# Altium PCB PCB2.PcbDoc (part 1 of 2) (continued)
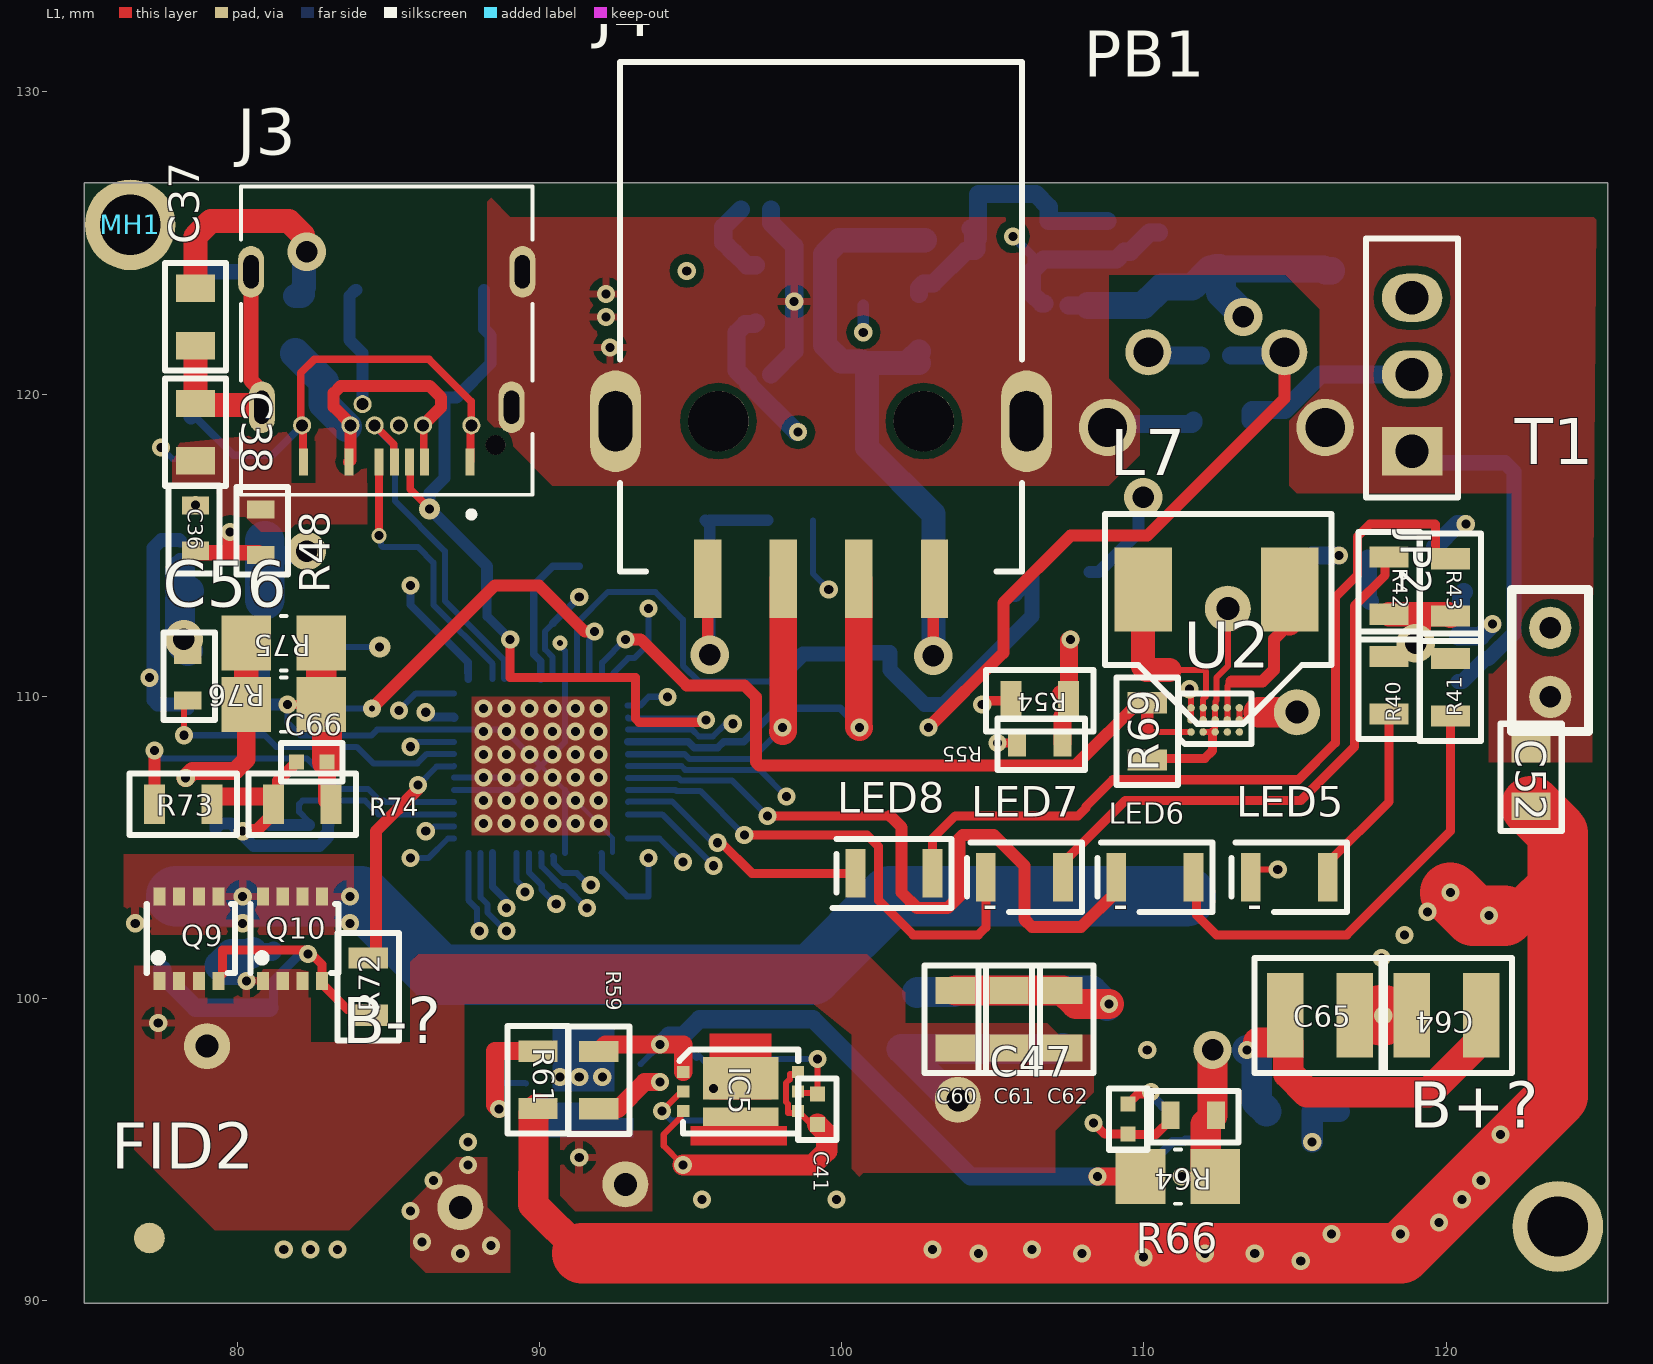
[diagram p0: L1 view]
## Part data (continued)
C41 C46 C47 C48: library part "0.1uF cap", "Cap Ceramic 0.1uF 16V X7R 10% SMD 0402 125C Paper T/R", Capacitance=100nF, Case/Package=0402, Case Code (Metric)=1005, Dielectric=X7R, Manufacturer 1=Yageo, Manufacturer Part Number 1=CC0402KPX7R7BB104, Max Operating Temperature=125°C, Min Operating Temperature=-55°C, Supplier Part Number 1=311-3559-1-ND, Tolerance=10%, Voltage Rating=16V, Case Code (Imperial)=0402, ComponentLink1Description=https://datasheet.ciiva.com/13207/upy-gphc-x7r-6-3v-to-50v-8-12304-13207933.pdf?src-supplier=Mouser, ComponentLink1URL=https://datasheet.ciiva.com/13207/upy-gphc-x7r-6-3v-to-50v-8-12304-13207933.pdf?src-supplier=Mouser, Composition=Ceramic, Depth=0.5mm, Halogen Free="Halogen Free", Lead Free="Lead Free", Length=0.039inch, Mount="Surface Mount", Packaging="Tape and Reel", Pricing 1="1=0.10000, 10=0.03200, 50=0.01760, 100=0.01430, 500=0.01024, 1000=0.00805, 2500=0.00732, 5000=0.00673 (USD)", RoHS=Yes, Stock 1=61577, Supplier 1=Digi-Key, Termination=SMD/SMT, Thickness=0.022inch, Voltage Rating (DC)=16V, Weight=2.3E-05oz, Width=0.02inch
C52: library part C2012X5R1C106M125AC, "CAP CER 10UF 16V X5R 0805", Capacitance=10uF, Case/Package=0805, Case Code (Metric)=2012, Dielectric=X5R, Dielectric Material=Ceramic, Manufacturer 1=TDK, Max Operating Temperature=85°C, Min Operating Temperature=-55°C, Package Quantity=1, Supplier Part Number 1=2525134, Tolerance=20%, Voltage Rating=16V, Case Code (Imperial)=0805, ComponentLink1Description=https://datasheet.ciiva.com/6289/tdkmlcccaprange-6289238.pdf?src-supplier=Digi-Key, ComponentLink1URL=https://datasheet.ciiva.com/6289/tdkmlcccaprange-6289238.pdf?src-supplier=Digi-Key, ComponentLink2Description=https://datasheet.ciiva.com/22725/1913358-22725558.pdf?src-supplier=Element14, ComponentLink2URL=https://datasheet.ciiva.com/22725/1913358-22725558.pdf?src-supplier=Element14, ComponentLink3Description=https://datasheet.ciiva.com/6252/tdkmlcccaprange-6252105.pdf?src-supplier=Digi-Key, ComponentLink3URL=https://datasheet.ciiva.com/6252/tdkmlcccaprange-6252105.pdf?src-supplier=Digi-Key, ComponentLink4Description=https://datasheet.ciiva.com/6252/tdkmlcccaprange-6252108.pdf?src-supplier=Digi-Key, ComponentLink4URL=https://datasheet.ciiva.com/6252/tdkmlcccaprange-6252108.pdf?src-supplier=Digi-Key, ComponentLink5Description=https://datasheet.ciiva.com/23803/1796654-23803022.pdf?src-supplier=Newark, ComponentLink5URL=https://datasheet.ciiva.com/23803/1796654-23803022.pdf?src-supplier=Newark, Composition=Ceramic, Depth=1.25mm, Height=1.25mm, Lead Free="Lead Free", Length=2mm, Manufacturer Part Number 1=C2012X5R1C106M125AC, Mount="Surface Mount", Number of Pins=2, Packaging="Tape and Reel", Pricing 1="5=0.27200, 50=0.09480, 250=0.08030, 500=0.07090, 1000=0.06220, 2000=0.04880, 10000=0.04830, 20000=0.04180 (GBP)", REACH SVHC="No SVHC", RoHS=Yes, Stock 1=0, Supplier 1=Farnell, Termination=SMD/SMT, Thickness=0.057inch, Voltage Rating (DC)=16V, Weight=0.000194oz, Width=0.049inch
C54: library part "22000pF cap", "YAGEO - CC0402KRX7R7BB223 - SMD Multilayer Ceramic Capacitor, 22000 pF, 16 V, 0402 [1005 Metric], ± 10%, X7R, CC Series", Capacitance=22nF, Case/Package=0402, Case Code (Metric)=1005, Dielectric=X7R, Dielectric Material=Ceramic, Insulation Resistance=10GR, Manufacturer 1=Yageo, Manufacturer Part Number 1=CC0402KRX7R7BB223, Max Operating Temperature=125°C, Min Operating Temperature=-55°C, Package Quantity=1, Supplier Part Number 1=311-1378-1-ND, Tolerance=10%, Voltage Rating=16V, Case Code (Imperial)=0402, ComponentLink1Description=https://datasheet.ciiva.com/144/mlccorderingcode-144037.pdf?src-supplier=Digi-Key, ComponentLink1URL=https://datasheet.ciiva.com/144/mlccorderingcode-144037.pdf?src-supplier=Digi-Key, ComponentLink2Description=https://datasheet.ciiva.com/8033/1489800-8033669.pdf?src-supplier=Element14, ComponentLink2URL=https://datasheet.ciiva.com/8033/1489800-8033669.pdf?src-supplier=Element14, ComponentLink3Description=https://datasheet.ciiva.com/15189/getdatasheetpartid-321421-15189125.pdf?src-supplier=Verical, ComponentLink3URL=https://datasheet.ciiva.com/15189/getdatasheetpartid-321421-15189125.pdf?src-supplier=Verical, ComponentLink4Description=https://datasheet.ciiva.com/144/mlccorderingcode-144038.pdf?src-supplier=Digi-Key, ComponentLink4URL=https://datasheet.ciiva.com/144/mlccorderingcode-144038.pdf?src-supplier=Digi-Key, ComponentLink5Description=https://datasheet.ciiva.com/28450/1489800-28450342.pdf?src-supplier=Element14, ComponentLink5URL=https://datasheet.ciiva.com/28450/1489800-28450342.pdf?src-supplier=Element14, ComponentLink6Description=https://datasheet.ciiva.com/144/mlccorderingcode-144039.pdf?src-supplier=Digi-Key, ComponentLink6URL=https://datasheet.ciiva.com/144/mlccorderingcode-144039.pdf?src-supplier=Digi-Key, ComponentLink7Description=https://datasheet.ciiva.com/8033/1489800-8033671.pdf?src-supplier=Element14, ComponentLink7URL=https://datasheet.ciiva.com/8033/1489800-8033671.pdf?src-supplier=Element14, Composition=Ceramic, Depth=0.5mm, Dissipation Factor=3.5%, Halogen Free="Halogen Free", Height=0.5mm, Lead Free="Lead Free", Length=1mm, Mount="Surface Mount", Number of Pins=2, Packaging="Tape and Reel", Pricing 1="1=0.10000, 10=0.03000, 50=0.01620, 100=0.01320, 500=0.00940, 1000=0.00738, 2500=0.00671, 5000=0.00617 (USD)", Radiation Hardening=No, REACH SVHC="No SVHC", RoHS=Yes, Stock 1=283527, Supplier 1=Digi-Key, Termination=SMD/SMT, Thickness=0.022inch, Voltage Rating (DC)=16V, Width=0.5mm
C63 C66: library part "1pF 16V cap", "WURTH ELEKTRONIK - 885012005019 - CAP, 1PF, 16V, C0G/NP0, 0402", Capacitance=1pF, Case/Package=0402, Case Code (Metric)=1005, Manufacturer 1="Wurth Electronics", Manufacturer Part Number 1=885012005019, Max Operating Temperature=125°C, Min Operating Temperature=-55°C, Supplier Part Number 1=732-7435-1-ND, Voltage Rating=16V, Case Code (Imperial)=0402, ComponentLink1Description=http://www.farnell.com/datasheets/2546550.pdf?src-supplier=Farnell, ComponentLink1URL=http://www.farnell.com/datasheets/2546550.pdf?src-supplier=Farnell, ComponentLink2Description=https://katalog.we-online.de/pbs/datasheet/885012005019.pdf?src-supplier=Digi-Key, ComponentLink2URL=https://katalog.we-online.de/pbs/datasheet/885012005019.pdf?src-supplier=Digi-Key, ComponentLink3Description=http://katalog.we-online.de/pbs/datasheet/885012005019.pdf?src-supplier=Digi-Key, ComponentLink3URL=http://katalog.we-online.de/pbs/datasheet/885012005019.pdf?src-supplier=Digi-Key, Length=0.039inch, Mount="Surface Mount", Packaging="Tape and Reel", Pricing 1="1=0.10000, 10=0.01700, 100=0.01570, 500=0.01386 (USD)", RoHS=Yes, Stock 1=8704, Supplier 1=Digi-Key, Thickness=0.022inch, Width=0.02inch
C64 C65: library part "47uF cap", "KEMET - C1210C476M4PACTU. - CAPACITOR CERAMIC 47UF, 16V, X5R, 1210", Capacitance=47uF, Case/Package=1210, Case Code (Metric)=3225, Dielectric=X5R, Dielectric Material=Ceramic, Manufacturer 1=KEMET, Manufacturer Part Number 1=C1210C476M4PACTU, Max Operating Temperature=85°C, Min Operating Temperature=-55°C, Package Quantity=1, Supplier Part Number 1=399-5514-1-ND, Tolerance=20%, Voltage=16V, Case Code (Imperial)=1210, ComponentLink1Description=https://datasheet.ciiva.com/22705/652158-22705488.pdf?src-supplier=Element14, ComponentLink1URL=https://datasheet.ciiva.com/22705/652158-22705488.pdf?src-supplier=Element14, ComponentLink2Description=https://datasheet.ciiva.com/28608/1918694-28608774.pdf?src-supplier=Element14, ComponentLink2URL=https://datasheet.ciiva.com/28608/1918694-28608774.pdf?src-supplier=Element14, Contact Plating=Tin,Matte, Depth=2.5mm, Dissipation Factor=10%, Height=2.5mm, Lead Free="Lead Free", Length=3.2mm, Mount="Surface Mount,PCB", Number of Pins=2, Packaging="Tape and Reel", Pricing 1="1=1.16000, 10=0.88500, 50=0.73500, 100=0.63300, 500=0.49006 (USD)", Radiation Hardening=No, REACH SVHC="No SVHC", RoHS=Yes, Stock 1=225249, Supplier 1=Digi-Key, Termination=SMD/SMT, Thickness=0.11inch, Voltage Rating=16V, Voltage Rating (DC)=16V, Width=0.098inch
D5: library part "3pins schottkey common cathode", "Diode Schottky 30V 0.2A 3-Pin SOT-23 T/R", Average Rectified Current=200mA, Case/Package=SOT-23-3, Manufacturer 1="ON Semiconductor", Manufacturer Part Number 1=SBAT54CLT1G, Max Forward Surge Current (Ifsm)=600mA, Max Operating Temperature=125°C, Max Power Dissipation=225mW, Max Repetitive Reverse Voltage (Vrrm)=30V, Max Reverse Leakage Current=2uA, Min Operating Temperature=-55°C, Package Quantity=3000, Supplier Part Number 1=SBAT54CLT1GOSCT-ND, ComponentLink1Description=https://datasheet.ciiva.com/908/bat54clt1-d-908339.pdf?src-supplier=Digi-Key, ComponentLink1URL=https://datasheet.ciiva.com/908/bat54clt1-d-908339.pdf?src-supplier=Digi-Key, ComponentLink2Description=https://datasheet.ciiva.com/8292/bat54clt1-d-8292853.pdf?src-supplier=Avnet, ComponentLink2URL=https://datasheet.ciiva.com/8292/bat54clt1-d-8292853.pdf?src-supplier=Avnet, Element Configuration="Common Cathode", Forward Current=200mA, Halogen Free="Halogen Free", Lead Free="Lead Free", Max Reverse Voltage (DC)=30V, Number of Pins=3, Packaging="Tape and Reel", Peak Non-Repetitive Surge Current=600mA, Pricing 1="1=0.36000, 10=0.29600, 25=0.24760, 100=0.12100, 500=0.10092, 1000=0.07013 (USD)", Radiation Hardening=No, Recovery Time=5ns, Reverse Recovery Time=5ns, RoHS=Yes, Stock 1=24603, Supplier 1=Digi-Key
D6 D7: library part MM5Z5V1T1G, "ON SEMICONDUCTOR - MM5Z5V1T1G - Zener Single Diode, General Purpose, 5.1 V, 500 mW, SOD-523, 2, 150 C RoHS Compliant: Yes", Case/Package=SOD-523-2, Forward Voltage=900mV, Manufacturer 1="ON Semiconductor", Max Operating Temperature=150°C, Max Power Dissipation=200mW, Max Reverse Leakage Current=2uA, Min Operating Temperature=-65°C, Package Quantity=3000, Power Rating=100mW, Supplier Part Number 1=MM5Z5V1T1GOSCT-ND, Test Current=5mA, Tolerance=6%, Voltage Rating (DC)=5.1V, Zener Current=10mA, ComponentLink1Description=https://datasheet.ciiva.com/15142/getdatasheetpartid-53273-15142116.pdf?src-supplier=Verical, ComponentLink1URL=https://datasheet.ciiva.com/15142/getdatasheetpartid-53273-15142116.pdf?src-supplier=Verical, ComponentLink2Description=https://datasheet.ciiva.com/30478/0900766b81276ad7-30478633.pdf?src-supplier=RSComponents, ComponentLink2URL=https://datasheet.ciiva.com/30478/0900766b81276ad7-30478633.pdf?src-supplier=RSComponents, ComponentLink3Description=https://datasheet.ciiva.com/900/mm5z2v4t1-d-900082.pdf?src-supplier=Digi-Key, ComponentLink3URL=https://datasheet.ciiva.com/900/mm5z2v4t1-d-900082.pdf?src-supplier=Digi-Key, ComponentLink4Description=https://datasheet.ciiva.com/900/mm5z2v4t1-d-900083.pdf?src-supplier=Digi-Key, ComponentLink4URL=https://datasheet.ciiva.com/900/mm5z2v4t1-d-900083.pdf?src-supplier=Digi-Key, ComponentLink5Description=https://datasheet.ciiva.com/900/mm5z2v4t1-d-900084.pdf?src-supplier=Digi-Key, ComponentLink5URL=https://datasheet.ciiva.com/900/mm5z2v4t1-d-900084.pdf?src-supplier=Digi-Key, ComponentLink6Description=https://datasheet.ciiva.com/8347/mm5z2v4t1-d-8347925.pdf?src-supplier=Avnet, ComponentLink6URL=https://datasheet.ciiva.com/8347/mm5z2v4t1-d-8347925.pdf?src-supplier=Avnet, ComponentLink7Description=https://datasheet.ciiva.com/8347/mm5z2v4t1-d-8347930.pdf?src-supplier=Avnet, ComponentLink7URL=https://datasheet.ciiva.com/8347/mm5z2v4t1-d-8347930.pdf?src-supplier=Avnet, ComponentLink8Description=https://datasheet.ciiva.com/26092/mm5z2v4t1-d-26092203.pdf?src-supplier=Avnet+Europe, ComponentLink8URL=https://datasheet.ciiva.com/26092/mm5z2v4t1-d-26092203.pdf?src-supplier=Avnet+Europe, Element Configuration=Single, Height=0.7mm, Impedance=60R, Lead Free="Lead Free", Length=1.3mm, Manufacturer Part Number 1=MM5Z5V1T1G, Material=Plastic, Number of Pins=2, Packaging="Tape and Reel", Peak Reverse Current=2uA, Power Dissipation=200mW, Pricing 1="1=0.21000, 10=0.14400, 100=0.07680, 500=0.04400, 1000=0.03680 (USD)", Radiation Hardening=No, REACH SVHC="No SVHC", RoHS=Yes, Stock 1=14960, Supplier 1=Digi-Key, Voltage Tolerance=6%, Width=0.9mm, Working Voltage=5.1V, Zener Voltage=5.1V
D8: library part SBAT54ALT1G, "ON SEMICONDUCTOR - SBAT54ALT1G - Small Signal Schottky Diode, Dual Common Anode, 30 V, 200 mA, 800 mV, 600 mA, 150 °C Common Anode", Average Rectified Current=200mA, Case/Package=SOT-23-3, Forward Voltage=800mV, Manufacturer 1="ON Semiconductor", Max Forward Surge Current (Ifsm)=600mA, Max Operating Temperature=150°C, Max Repetitive Reverse Voltage (Vrrm)=30V, Min Operating Temperature=-55°C, Package Quantity=3000, Supplier Part Number 1=SBAT54ALT1GOSCT-ND, ComponentLink1Description=https://datasheet.ciiva.com/8292/bat54alt1-d-8292843.pdf?src-supplier=Avnet, ComponentLink1URL=https://datasheet.ciiva.com/8292/bat54alt1-d-8292843.pdf?src-supplier=Avnet, ComponentLink2Description=https://datasheet.ciiva.com/25949/bat54alt1-d-25949771.pdf?src-supplier=Avnet+Europe, ComponentLink2URL=https://datasheet.ciiva.com/25949/bat54alt1-d-25949771.pdf?src-supplier=Avnet+Europe, ComponentLink3Description=https://datasheet.ciiva.com/908/bat54alt1-d-908300.pdf?src-supplier=Digi-Key, ComponentLink3URL=https://datasheet.ciiva.com/908/bat54alt1-d-908300.pdf?src-supplier=Digi-Key, Contact Plating=Tin,Matte, Element Configuration="Common Anode", Forward Current=200mA, Halogen Free="Halogen Free", Height=1.01mm, Lead Free="Lead Free", Length=3.04mm, Manufacturer Part Number 1=SBAT54ALT1G, Max Reverse Voltage (DC)=30V, Number of Pins=3, Packaging="Tape and Reel", Peak Non-Repetitive Surge Current=600mA, Pricing 1="1=0.36000, 10=0.29600, 25=0.24760, 100=0.12100, 500=0.10092, 1000=0.07013 (USD)", Radiation Hardening=No, Reverse Recovery Time=5ns, RoHS=Yes, Stock 1=20947, Supplier 1=Digi-Key, Width=1.4mm
IC4: "Power Bank Controller, USB Type-C & Quick Charge™ 3.0, for 1-Cell Li-Ion and Li-Poly Battery", Manufacturer 1="ON Semiconductor", ComponentLink1Description=http://www.onsemi.com/pub/Collateral/LC709511F-D.PDF?src-supplier=Digi-Key, ComponentLink1URL=http://www.onsemi.com/pub/Collateral/LC709511F-D.PDF?src-supplier=Digi-Key, Manufacturer Part Number 1=LC709511FQD-A00TWG, Pricing 1="1=3.15600, 10=3.08000, 25=3.03900, 100=2.89000, 250=2.86400, 500=2.83690, 1000=2.81000, 3000=3.45600, 30000=3.42400, 300000=3.22800, 1500000=3.10500, 3000000=3.10300 (USD)", RoHS=No, Stock 1=2696, Supplier 1=Arrow, Supplier Part Number 1=LC709511FQD-A00TWG
IC5 IC6: "IC BATT PROTECTION LI-ION 6WDFN", Manufacturer 1="ON Semiconductor", Max Operating Temperature=85°C, Max Power Dissipation=350mW, Min Operating Temperature=-40°C, Operating Supply Current=3uA, Operating Supply Voltage=4.5V, Package Quantity=4000, Supplier Part Number 1=LC05111C02MTTTGOSCT-ND, ComponentLink1Description=http://www.mouser.com/ds/2/308/LC05111CMT-D-522471.pdf?src-supplier=Mouser, ComponentLink1URL=http://www.mouser.com/ds/2/308/LC05111CMT-D-522471.pdf?src-supplier=Mouser, ComponentLink2Description=http://www.alliedelec.com/images/products/datasheets/bm/ON_SEMICONDUCTOR/70547338.pdf?src-supplier=Allied+Electronics, ComponentLink2URL=http://www.alliedelec.com/images/products/datasheets/bm/ON_SEMICONDUCTOR/70547338.pdf?src-supplier=Allied+Electronics, ComponentLink3Description=http://www.farnell.com/datasheets/2255349.pdf?src-supplier=Farnell, ComponentLink3URL=http://www.farnell.com/datasheets/2255349.pdf?src-supplier=Farnell, ComponentLink4Description=http://www.onsemi.com/pub/Collateral/ENA2338-D.PDF?src-supplier=Avnet, ComponentLink4URL=http://www.onsemi.com/pub/Collateral/ENA2338-D.PDF?src-supplier=Avnet, ComponentLink5Description=http://www.onsemi.com/pub/Collateral/LC05111CMT-D.PDF?src-supplier=Digi-Key, ComponentLink5URL=http://www.onsemi.com/pub/Collateral/LC05111CMT-D.PDF?src-supplier=Digi-Key, Fault Protection="Over Current", Height=0.8mm, Lead Free="Lead Free", Length=4mm, Manufacturer Part Number 1=LC05111C02MTTTG, Mount="Surface Mount", Number of Cells=1, Number of Pins=6, Packaging="Tape and Reel", Pricing 1="1=1.16000, 10=1.03300, 25=0.98000, 100=0.75250, 250=0.66500, 500=0.63000, 1000=0.49000 (USD)", Radiation Hardening=No, RoHS=Yes, Stock 1=2451, Supplier 1=Digi-Key, Width=2.6mm
J3: "Conn USB 3.1 Type C RCP 24 POS 0.5mm Solder RA SMF 24 Terminal 1 Port T/R"
J4: "Socket, angled USB 3.0 A   9 P, 692122030100, Würth Elektronik", Color=Blue, Current Rating=1.8A, Flammability Rating="UL94 V-0", Insulation Resistance=100MR, Manufacturer 1="Wurth Electronics", Manufacturer Part Number 1=692122030100, Max Operating Temperature=85°C, Min Operating Temperature=-20°C, Package Quantity=1, Supplier Part Number 1=732-3150-1-ND, Voltage Rating=30V, ComponentLink1Description=https://datasheet.ciiva.com/851/692122030100-851250.pdf?src-supplier=Digi-Key, ComponentLink1URL=https://datasheet.ciiva.com/851/692122030100-851250.pdf?src-supplier=Digi-Key, ComponentLink2Description=https://datasheet.ciiva.com/1099/1699423-1099081.pdf?src-supplier=Element14, ComponentLink2URL=https://datasheet.ciiva.com/1099/1699423-1099081.pdf?src-supplier=Element14, ComponentLink3Description=https://datasheet.ciiva.com/11731/0900766b81023ac1-11731277.pdf?src-supplier=RSComponents, ComponentLink3URL=https://datasheet.ciiva.com/11731/0900766b81023ac1-11731277.pdf?src-supplier=RSComponents, ComponentLink4Description=https://datasheet.ciiva.com/6743/1020404-6743662.pdf?src-supplier=Newark, ComponentLink4URL=https://datasheet.ciiva.com/6743/1020404-6743662.pdf?src-supplier=Newark, ComponentLink5Description=https://datasheet.ciiva.com/851/692122030100-851251.pdf?src-supplier=Digi-Key, ComponentLink5URL=https://datasheet.ciiva.com/851/692122030100-851251.pdf?src-supplier=Digi-Key, ComponentLink6Description=https://datasheet.ciiva.com/851/692122030100-851252.pdf?src-supplier=Digi-Key, ComponentLink6URL=https://datasheet.ciiva.com/851/692122030100-851252.pdf?src-supplier=Digi-Key, Connector Type=USB,Receptacle,Socket, Contact Material="Bronze,Copper Alloy", Contact Plating=Gold, Features=Shielded, Gender=Receptacle, Lead Free="Lead Free", Length=15.1mm, Mount="Surface Mount,Horizontal,Through Hole", Number of Contacts=9, Number of Ports=1, Orientation="Right Angle", Packaging="Tape and Reel", Pricing 1="1=3.17000, 10=2.79600, 50=2.63400, 100=2.36500 (USD)", REACH SVHC=Unknown, RoHS=Yes, Stock 1=2724, Supplier 1=Digi-Key, Termination=SMD/SMT, USB Standard="USB 3.0", Voltage Rating (AC)=30V, Width=16.66mm
JP2: library part 68000-103HLF, "CONN HEADER VERT 3POS 2.54MM", Color=Black, Current Rating=3A, Flammability Rating="UL94 V-0", Insulation Resistance=5GR, Manufacturer 1="Amphenol FCI", Max Operating Temperature=125°C, Max Voltage Rating (AC)=1.5kV, Min Operating Temperature=-65°C, Package Quantity=100, Supplier Part Number 1=609-3461-ND, ComponentLink1Description=https://datasheet.ciiva.com/5157/68000-274283-5157301.pdf?src-supplier=Mouser, ComponentLink1URL=https://datasheet.ciiva.com/5157/68000-274283-5157301.pdf?src-supplier=Mouser, ComponentLink2Description=https://datasheet.ciiva.com/46392/1914865-46392021.pdf?src-supplier=Element14, ComponentLink2URL=https://datasheet.ciiva.com/46392/1914865-46392021.pdf?src-supplier=Element14, ComponentLink3Description=https://datasheet.ciiva.com/10149/68000-10149754.pdf?src-supplier=Avnet, ComponentLink3URL=https://datasheet.ciiva.com/10149/68000-10149754.pdf?src-supplier=Avnet, Connector Type="Male Pin", Contact Gender=Male, Contact Material=Bronze, Contact Mating Length=0.23inch, Contact Plating=Gold,GXT, Contact Post Length=2.41mm, Depth=2.41mm, Gender=Male, Housing Color=Black, Housing Material=Thermoplastic, Length=7.62mm, Manufacturer Part Number 1=68000-103HLF, Mount="Through Hole", Number of Contacts=3, Number of Positions=3, Number of Rows=1, Orientation=Straight, Packaging=Bulk, Pitch=2.54mm, Pricing 1="1=0.29000, 10=0.27900, 100=0.19500, 500=0.16716, 1000=0.13930, 5000=0.11940, 10000=0.11144 (USD)", Radiation Hardening=No, REACH SVHC="No SVHC", RoHS=Yes, Stock 1=32442, Supplier 1=Digi-Key, Termination=Solder, Voltage Rating=1.5kV
L5 L6: library part BLM21PG300SN1D, "Ferrite Beads Multi-Layer 30Ohm 100MHz 4A 14mOhm DCR 0805 T/R", Case/Package=0805, Case Code (Metric)=2012, Current Rating=4A, DC Current=3A, DC Resistance (DCR)=14mR, Frequency=100MHz, Manufacturer 1=Murata, Max Operating Temperature=125°C, Min Operating Temperature=-55°C, Package Quantity=1, Resistance=15mR, Supplier Part Number 1=490-1052-1-ND, Tolerance=25%, Case Code (Imperial)=0805, ComponentLink1Description=https://datasheet.ciiva.com/11795/0900766b80021a8e-11795584.pdf?src-supplier=RSComponents, ComponentLink1URL=https://datasheet.ciiva.com/11795/0900766b80021a8e-11795584.pdf?src-supplier=RSComponents, ComponentLink2Description=https://datasheet.ciiva.com/19460/1845339-19460237.pdf?src-supplier=Jameco, ComponentLink2URL=https://datasheet.ciiva.com/19460/1845339-19460237.pdf?src-supplier=Jameco, ComponentLink3Description=https://datasheet.ciiva.com/6212/l0110s0100blm21p-6212358.pdf?src-supplier=Digi-Key, ComponentLink3URL=https://datasheet.ciiva.com/6212/l0110s0100blm21p-6212358.pdf?src-supplier=Digi-Key, ComponentLink4Description=https://datasheet.ciiva.com/25903/l0110s0100blm21p-25903510.pdf?src-supplier=Avnet+Europe, ComponentLink4URL=https://datasheet.ciiva.com/25903/l0110s0100blm21p-25903510.pdf?src-supplier=Avnet+Europe, ComponentLink5Description=https://datasheet.ciiva.com/6212/l0110s0100blm21p-6212360.pdf?src-supplier=Digi-Key, ComponentLink5URL=https://datasheet.ciiva.com/6212/l0110s0100blm21p-6212360.pdf?src-supplier=Digi-Key, ComponentLink6Description=https://datasheet.ciiva.com/3081/l0110s0100blm21p-3081657.pdf?src-supplier=Avnet, ComponentLink6URL=https://datasheet.ciiva.com/3081/l0110s0100blm21p-3081657.pdf?src-supplier=Avnet, ComponentLink7Description=https://datasheet.ciiva.com/16199/l0110s0100blm21p-16199625.pdf?src-supplier=Future+Electronics, ComponentLink7URL=https://datasheet.ciiva.com/16199/l0110s0100blm21p-16199625.pdf?src-supplier=Future+Electronics, ComponentLink8Description=https://datasheet.ciiva.com/3081/l0110s0100blm21p-3081658.pdf?src-supplier=Avnet, ComponentLink8URL=https://datasheet.ciiva.com/3081/l0110s0100blm21p-3081658.pdf?src-supplier=Avnet, ComponentLink9Description=https://datasheet.ciiva.com/8021/1756152-8021599.pdf?src-supplier=Element14, ComponentLink9URL=https://datasheet.ciiva.com/8021/1756152-8021599.pdf?src-supplier=Element14, ComponentLink10Description=https://datasheet.ciiva.com/41449/001172365-da-01-en-drossel-0805-30r0-2-0x1-25mm-4000st-41449606.pdf?src-supplier=Conrad, ComponentLink10URL=https://datasheet.ciiva.com/41449/001172365-da-01-en-drossel-0805-30r0-2-0x1-25mm-4000st-41449606.pdf?src-supplier=Conrad, Core Material=Ferrite, Depth=1.25mm, Height=0.85mm, Impedance=30R, Lead Free="Lead Free", Length=2mm, Manufacturer Part Number 1=BLM21PG300SN1D, Material=Steel,Ferrite, Max Current Rating=4A, Max DC Current=3A, Military Standard=Not, Number of Circuits=1, Number of Lines=1, Number of Pins=2, Packaging="Tape and Reel", Pricing 1="1=0.11000, 10=0.09300, 25=0.07240, 50=0.06000, 100=0.05170, 250=0.04136, 500=0.03722, 1000=0.03102 (USD)", Radiation Hardening=No, REACH SVHC="No SVHC", RoHS=Yes, Shielding=Unshielded, Stock 1=58891, Supplier 1=Digi-Key, Termination=SMD/SMT, Test Frequency=100MHz, Width=1.25mm
L7: library part "470nH ind", Manufacturer 1=KEMET, Manufacturer Part Number 1=MPX1D0520LR47, Supplier Part Number 1=399-20628-1-ND, Pricing 1="1=1.72000, 10=1.59000, 25=1.45760, 50=1.24560, 100=1.11300, 250=0.95400, 500=0.90100, 1000=0.82150 (USD)", RoHS=No, Stock 1=890, Supplier 1=Digi-Key
L8: library part CDRH127/LDNP-4R6NC, "FIXED IND 4.6UH 9.1A 13.8 MOHM", Case/Package=Nonstandard, Current Rating=9.1A, DC Resistance (DCR)=13.8mR, Inductance=4.6uH, Manufacturer 1=Sumida, Max Operating Temperature=100°C, Min Operating Temperature=-40°C, Package Quantity=500, Supplier Part Number 1=851-CDRH127LDNP4R6NC, Test Frequency=100kHz, Tolerance=30%, ComponentLink1Description=https://media.digikey.com/pdf/Data%20Sheets/Sumida%20PDFs/CDRH127LDNP.pdf?src-supplier=Digi-Key, ComponentLink1URL=https://media.digikey.com/pdf/Data%20Sheets/Sumida%20PDFs/CDRH127LDNP.pdf?src-supplier=Digi-Key, ComponentLink2Description=http://www.mouser.com/ds/2/390/CDRH127LD-523497.pdf?src-supplier=Mouser, ComponentLink2URL=http://www.mouser.com/ds/2/390/CDRH127LD-523497.pdf?src-supplier=Mouser, ComponentLink3Description=http://www.sumida.com/products/pdf/CDRH127,127LD.pdf?src-supplier=Avnet, ComponentLink3URL=http://www.sumida.com/products/pdf/CDRH127,127LD.pdf?src-supplier=Avnet, Core Material=Ferrite, Depth=12.3mm, Height=8mm, Height - Seated (Max)=0.315inch, Lead Free="Lead Free", Length=0.472inch, Manufacturer Part Number 1=CDRH127/LDNP-4R6NC, Max DC Current=9.1A, Mount="Surface Mount", Packaging="Tape and Reel", Pricing 1="1=1.52000, 10=1.14000, 100=1.08000, 500=0.87400, 1000=0.60800, 2500=0.57000 (USD)", Radiation Hardening=No, RoHS=Yes, Shielding=Shielded, Stock 1=232, Supplier 1=Mouser, Termination=SMD/SMT, Width=0.472inch
LED5 LED6 LED7: library part SMLLX1206ICTR, "LED RED CLEAR 1206 SMD", Case/Package=1206, Case Code (Metric)=3216, Color=Red, Current Rating=25mA, Forward Current=20mA, Forward Voltage=2V, Lens Color=Colorless,Clear, Manufacturer 1=Lumex, Max Operating Temperature=85°C, Min Operating Temperature=-25°C, Package Quantity=3000, Power Rating=65mW, Supplier Part Number 1=80K7325, Approvals=UL,CSA, Case Code (Imperial)=1206, ComponentLink1Description=https://datasheet.ciiva.com/16199/sml-lx1206ic-tr-16199616.pdf?src-supplier=Future+Electronics, ComponentLink1URL=https://datasheet.ciiva.com/16199/sml-lx1206ic-tr-16199616.pdf?src-supplier=Future+Electronics, ComponentLink2Description=https://datasheet.ciiva.com/12400/sml-lx1206ic-tr-112319-12400827.pdf?src-supplier=Mouser, ComponentLink2URL=https://datasheet.ciiva.com/12400/sml-lx1206ic-tr-112319-12400827.pdf?src-supplier=Mouser, ComponentLink3Description=https://datasheet.ciiva.com/8072/195796-8072871.pdf?src-supplier=Element14, ComponentLink3URL=https://datasheet.ciiva.com/8072/195796-8072871.pdf?src-supplier=Element14, ComponentLink4Description=https://datasheet.ciiva.com/8073/195796-8073097.pdf?src-supplier=Element14, ComponentLink4URL=https://datasheet.ciiva.com/8073/195796-8073097.pdf?src-supplier=Element14, ComponentLink5Description=https://datasheet.ciiva.com/15967/sml-lx1206ic-tr-15967210.pdf?src-supplier=Onlinecomponents.com, ComponentLink5URL=https://datasheet.ciiva.com/15967/sml-lx1206ic-tr-15967210.pdf?src-supplier=Onlinecomponents.com, ComponentLink6Description=https://datasheet.ciiva.com/30187/sml-lx1206ic-tr-30187578.pdf?src-supplier=Onlinecomponents.com, ComponentLink6URL=https://datasheet.ciiva.com/30187/sml-lx1206ic-tr-30187578.pdf?src-supplier=Onlinecomponents.com, ComponentLink7Description=https://datasheet.ciiva.com/2110/sml-lx1206ic-tr-2110300.pdf?src-supplier=Digi-Key, ComponentLink7URL=https://datasheet.ciiva.com/2110/sml-lx1206ic-tr-2110300.pdf?src-supplier=Digi-Key, ComponentLink8Description=https://datasheet.ciiva.com/2110/sml-lx1206ic-tr-2110301.pdf?src-supplier=Digi-Key, ComponentLink8URL=https://datasheet.ciiva.com/2110/sml-lx1206ic-tr-2110301.pdf?src-supplier=Digi-Key, ComponentLink9Description=https://datasheet.ciiva.com/2110/sml-lx1206ic-tr-2110302.pdf?src-supplier=Digi-Key, ComponentLink9URL=https://datasheet.ciiva.com/2110/sml-lx1206ic-tr-2110302.pdf?src-supplier=Digi-Key, Dominant Wavelength=635nm, Height=1.1mm, Illumination Color=Red, Lead Free="Lead Free", Length=3.2mm, Lens Size=1.5mm, Lens Style=Flat,Clear,Rectangular,Diffused,Colorless, Lens Transparency=Clear, Luminous Intensity=6mcd, Manufacturer Part Number 1=SMLLX1206ICTR, Mount="Surface Mount", Number of LEDs=1, Number of Pins=2, Packaging="Tape and Reel", REACH SVHC="No SVHC", RoHS=Yes, Stock 1=0, Supplier 1=Newark, Test Current=20mA, Viewing Angle=160°, Voltage Rating=2V, Voltage Rating (DC)=2V, Wavelength=635nm, Width=1.6mm
LED8: library part LNJ311G83RA, "Led Green SMD", Case/Package=1206, Case Code (Metric)=3216, Color=Green, Forward Voltage=2.03V, Manufacturer 1="Panasonic SSG", Package Quantity=3000, Supplier Part Number 1=P11537CT-ND, Test Current=10mA, Case Code (Imperial)=1206, ComponentLink1Description=https://datasheet.ciiva.com/2122/lnj311g83ra-2122816.pdf?src-supplier=Digi-Key, ComponentLink1URL=https://datasheet.ciiva.com/2122/lnj311g83ra-2122816.pdf?src-supplier=Digi-Key, ComponentLink2Description=https://datasheet.ciiva.com/2122/lnj311g83ra-2122817.pdf?src-supplier=Digi-Key, ComponentLink2URL=https://datasheet.ciiva.com/2122/lnj311g83ra-2122817.pdf?src-supplier=Digi-Key, ComponentLink3Description=https://datasheet.ciiva.com/2122/lnj311g83ra-2122818.pdf?src-supplier=Digi-Key, ComponentLink3URL=https://datasheet.ciiva.com/2122/lnj311g83ra-2122818.pdf?src-supplier=Digi-Key, Height=1.1mm, Lead Free="Lead Free", Length=3.2mm, Lens Style=Diffused, Luminous Intensity=12mcd, Manufacturer Part Number 1=LNJ311G83RA, Mount="Surface Mount", Packaging="Tape and Reel", Pricing 1="1=0.56000, 10=0.40000, 100=0.26130, 500=0.18780, 1000=0.14697 (USD)", RoHS=Yes, Stock 1=2890, Supplier 1=Digi-Key, Wavelength=575nm, Width=1.6mm
PB1: "TE CONNECTIVITY - FSMRA4JH04 - SWITCH, TACT, SPST", Contact Current Rating=50mA, Manufacturer 1="TE Connectivity", Max Operating Temperature=85°C, Min Operating Temperature=-35°C, Operating Force=1.6N, Package Quantity=1000, Supplier Part Number 1=506-FSMRA4JH04, Voltage Rating=24V, Actuator Length=5.74mm, ComponentLink1Description=https://datasheet.ciiva.com/5809/606398-5809313.pdf?src-supplier=Farnell, ComponentLink1URL=https://datasheet.ciiva.com/5809/606398-5809313.pdf?src-supplier=Farnell, ComponentLink2Description=https://datasheet.ciiva.com/7635/606398-7635446.pdf?src-supplier=Element14, ComponentLink2URL=https://datasheet.ciiva.com/7635/606398-7635446.pdf?src-supplier=Element14, Contact Material="Copper Alloy", Current Rating=50mA, Illumination Type=Illuminated, Length=7.11mm, Manufacturer Part Number 1=FSMRA4JH04, Mechanical Life=100000Cycles, Mount="Through Hole,PCB", Packaging=Bulk, Pricing 1="1=0.25000, 10=0.25000, 25=0.23300, 100=0.22000, 250=0.20700, 500=0.19000 (USD)", REACH SVHC=Unknown, RoHS=Yes, Stock 1=20272, Supplier 1=Mouser, Termination=Solder, Throw Configuration=SPST, Voltage Rating (DC)=24V, Width=7.01mm
Q7 Q8 Q9 Q10: library part ECH8310-TL-H, "Trans MOSFET P-CH 30V 9A 8-Pin ECH T/R", Continuous Drain Current (ID)=9A, Drain to Source Resistance=17mR, Drain to Source Voltage (Vdss)=30V, Gate to Source Voltage (Vgs)=20V, Input Capacitance=1.4nF, Manufacturer 1="ON Semiconductor", Max Operating Temperature=150°C, Max Power Dissipation=1.5W, Min Operating Temperature=-55°C, Package Quantity=3000, Supplier Part Number 1=ECH8310-TL-HOSCT-ND, ComponentLink1Description=https://datasheet.ciiva.com/13052/ech8310-d-72318-13052832.pdf?src-supplier=Mouser, ComponentLink1URL=https://datasheet.ciiva.com/13052/ech8310-d-72318-13052832.pdf?src-supplier=Mouser, ComponentLink2Description=https://datasheet.ciiva.com/30479/0900766b8127c97b-30479731.pdf?src-supplier=RSComponents, ComponentLink2URL=https://datasheet.ciiva.com/30479/0900766b8127c97b-30479731.pdf?src-supplier=RSComponents, ComponentLink3Description=https://datasheet.ciiva.com/6371/ech8310-d-6371820.pdf?src-supplier=Digi-Key, ComponentLink3URL=https://datasheet.ciiva.com/6371/ech8310-d-6371820.pdf?src-supplier=Digi-Key, ComponentLink4Description=https://datasheet.ciiva.com/11164/ech8310-d-11164927.pdf?src-supplier=Avnet, ComponentLink4URL=https://datasheet.ciiva.com/11164/ech8310-d-11164927.pdf?src-supplier=Avnet, Element Configuration=Single, Fall Time=87ns, Halogen Free="Halogen Free", Height=0.9mm, Lead Free="Lead Free", Length=2.9mm, Manufacturer Part Number 1=ECH8310-TL-H, Number of Pins=8, Packaging="Tape and Reel", Pricing 1="1=0.68000, 10=0.59400, 25=0.55800, 100=0.40500, 500=0.33840, 1000=0.28800 (USD)", Radiation Hardening=No, Rds On Max=17mR, Rise Time=45ns, RoHS=Yes, Stock 1=2258, Supplier 1=Digi-Key, Turn-Off Delay Time=134ns, Turn-On Delay Time=10ns, Width=2.3mm
Q11 Q12: library part NTTFS4H05NTAG, "Single N-Channel Power MOSFET 25V, 94A, 3.3mO", Continuous Drain Current (ID)=94A, Drain to Source Voltage (Vdss)=25V, Input Capacitance=1.205nF, Manufacturer 1="ON Semiconductor", Max Power Dissipation=2.66W, Package Quantity=1500, Supplier Part Number 1=863-NTTFS4H05NTAG, ComponentLink1Description=http://www.mouser.com/ds/2/308/NTTFS4H05N-D-463776.pdf?src-supplier=Mouser, ComponentLink1URL=http://www.mouser.com/ds/2/308/NTTFS4H05N-D-463776.pdf?src-supplier=Mouser, ComponentLink2Description=http://www.onsemi.com/pub/Collateral/NTTFS4H05N-D.PDF?src-supplier=Digi-Key, ComponentLink2URL=http://www.onsemi.com/pub/Collateral/NTTFS4H05N-D.PDF?src-supplier=Digi-Key, ComponentLink3Description=http://www.onsemi.com/pub/Collateral/NTTFS4H05N-D.PDF?src-supplier=Avnet, ComponentLink3URL=http://www.onsemi.com/pub/Collateral/NTTFS4H05N-D.PDF?src-supplier=Avnet, Lead Free="Lead Free", Manufacturer Part Number 1=NTTFS4H05NTAG, Mount="Surface Mount", Number of Pins=8, Packaging="Tape and Reel", Pricing 1="1=1.39000, 10=1.18000, 100=0.89600, 250=0.87000, 500=0.75200, 1000=0.62000 (USD)", Rds On Max=3.3mR, RoHS=Yes, Stock 1=792, Supplier 1=Mouser